# KiCad board cpu2.kicad_pcb (continued)
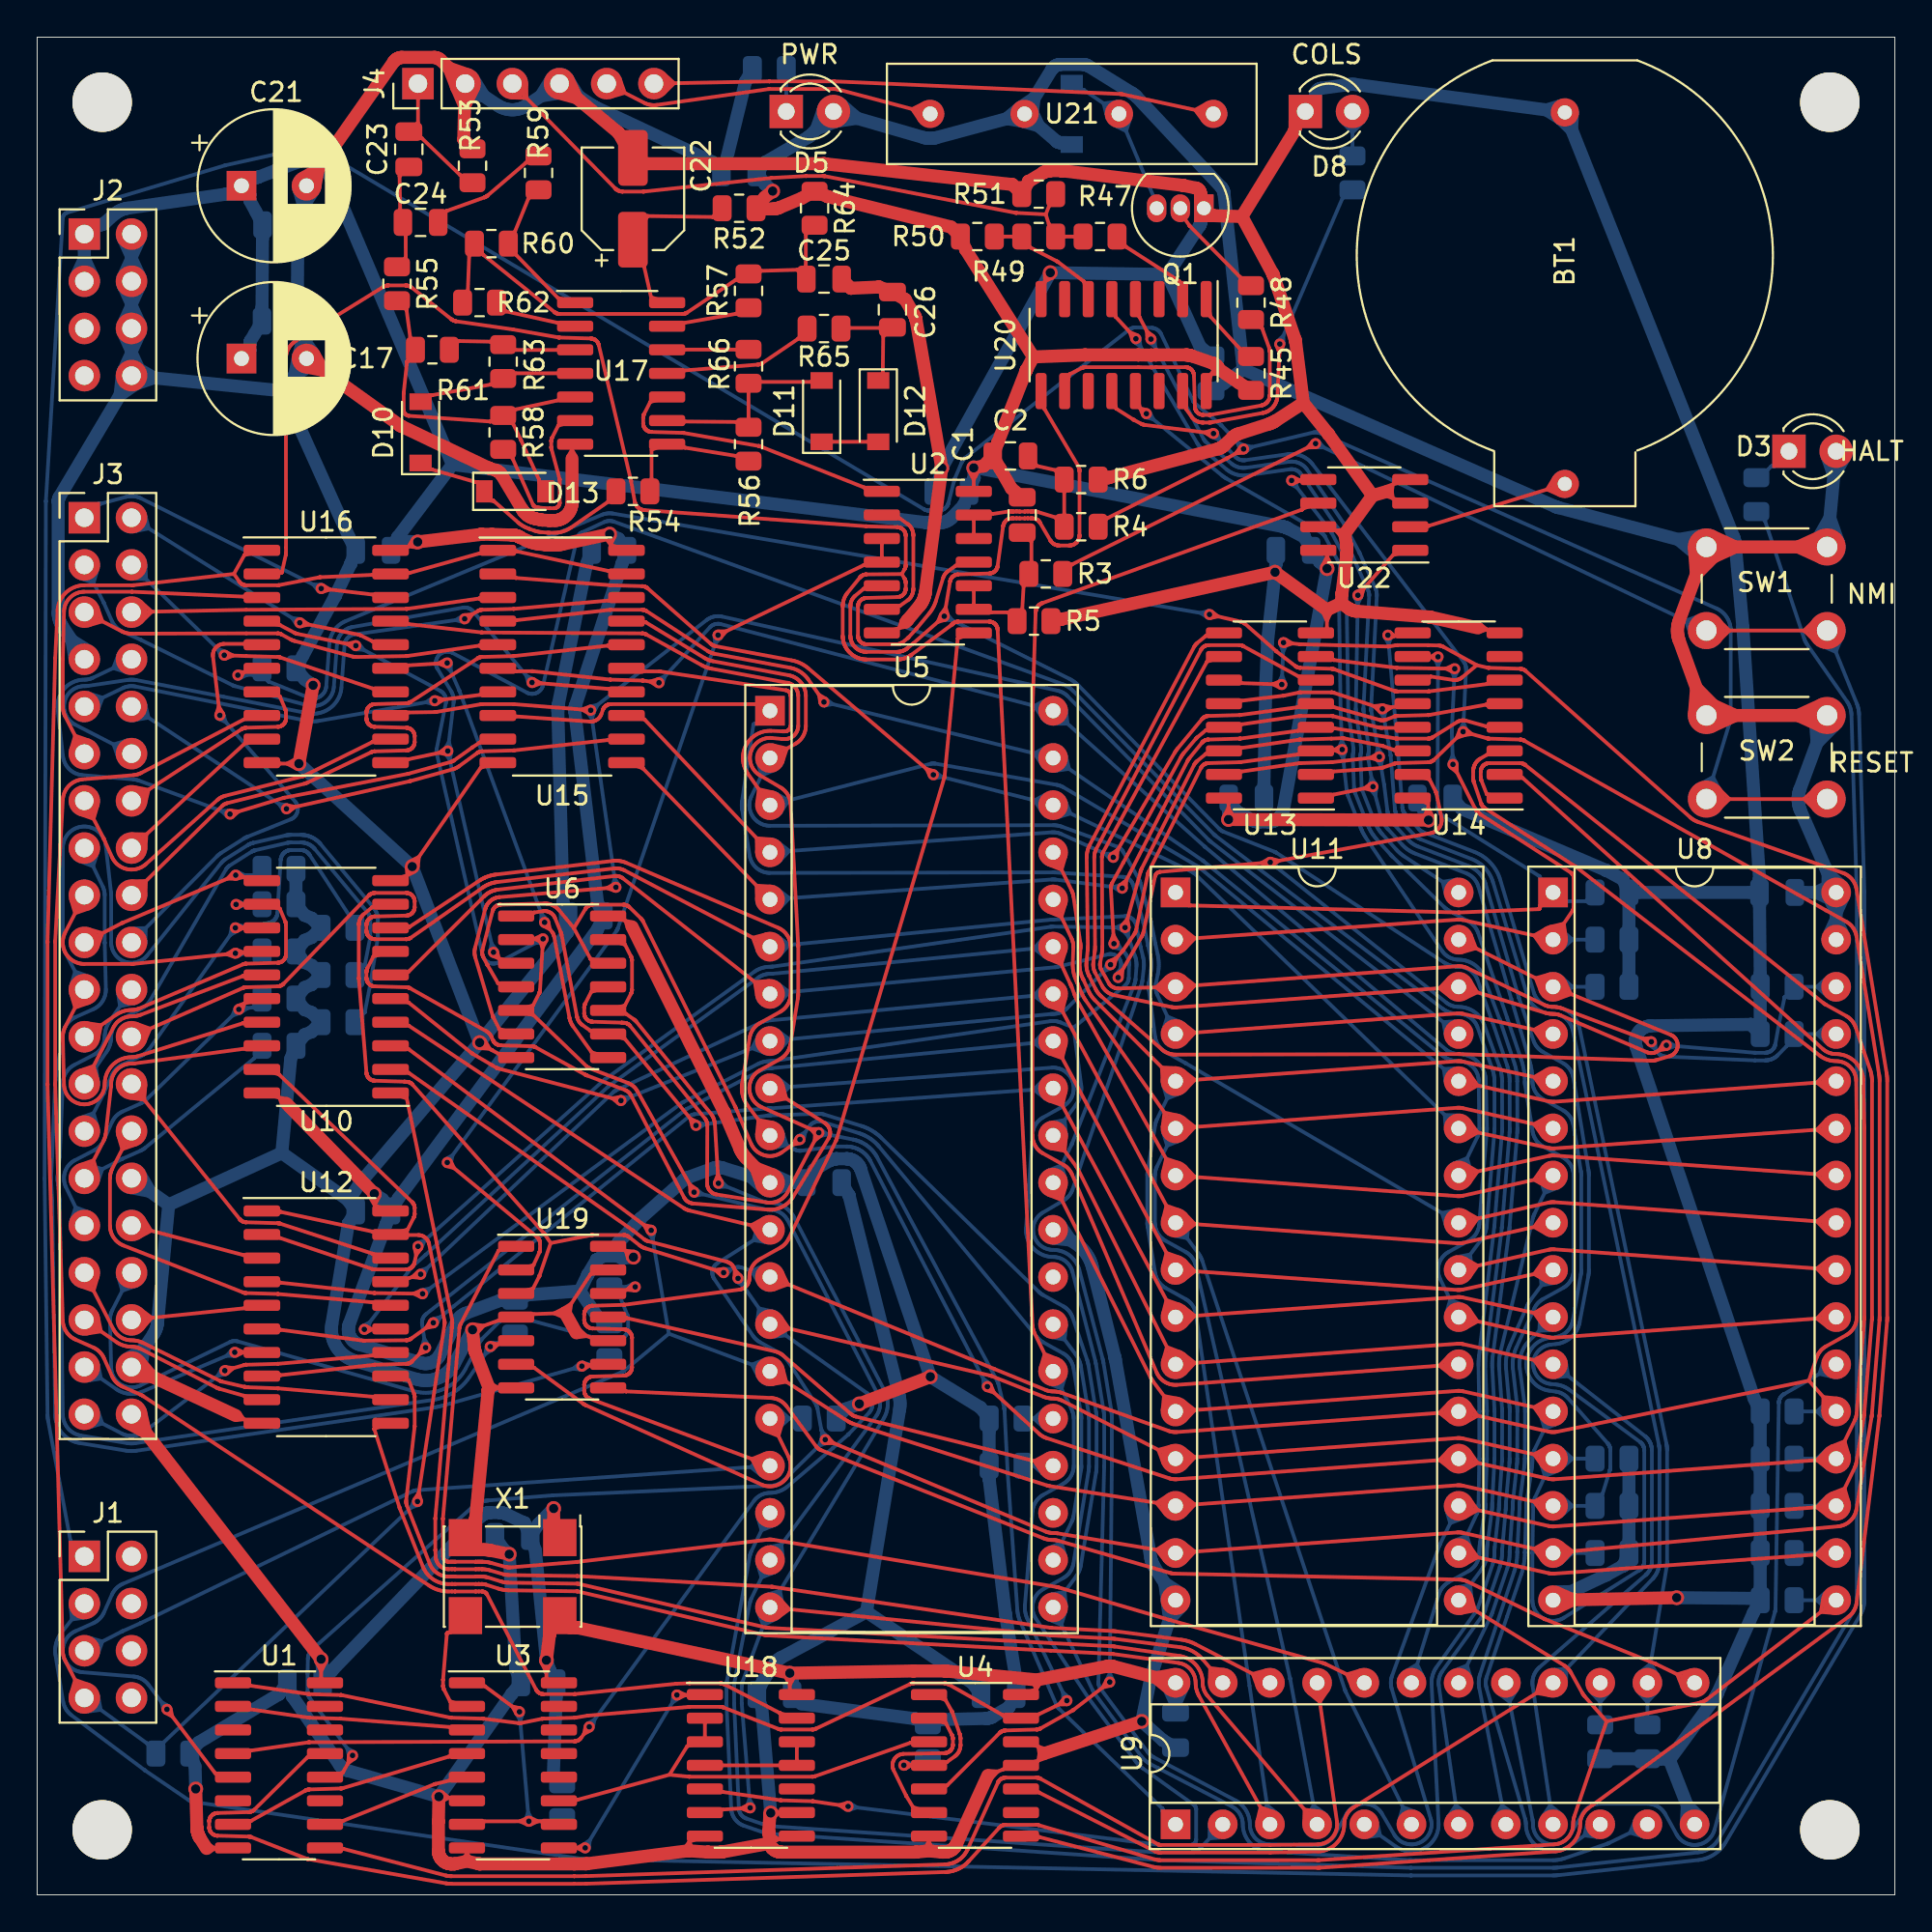
[diagram p0: board, top side]
## Routing (per net, layer and track width the routed paths; a pad name or vN(x,y) marks a point on that pad's centre or on a via; arc(x,y) is an arc through that point) (continued)
A2: length 122.4
  Top w0.2: 61.79,30.62 62.32,31.17 61.71,31.65 ; 55.37,43.25 55.18,42.5 54.45,42.76 ; 81.25,31.71 80.58,31.32 81.03,30.69 ; U5.32 U11.10 76.44,32.18 76.48,32.18 76.52,32.18 76.56,32.18 76.6,32.18 76.64,32.17 76.67,32.17 76.71,32.16 76.75,32.16 U8.10 ; 21.36,30.6 20.94,30.52 21.15,30.9 ; 60.6,31.27 60.79,32.02 61.51,31.76 ; U12.6 12.99,30.42 13.09,30.42 13.1,30.41 17.53,29.84 17.56,29.83 17.59,29.83 17.62,29.83 19.86,29.85 19.89,29.86 19.92,29.86 19.95,29.86 19.97,29.87 20,29.88 20.03,29.89 20.04,29.89 20.07,29.91 20.1,29.92 20.11,29.93 20.14,29.95 v2(21.33,30.8)
  Bottom w0.2: v2(21.33,30.8) 22.42,31.68 22.42,31.68 35.08,41.89 35.11,41.91 35.13,41.93 35.16,41.94 35.18,41.96 35.21,41.97 35.24,41.98 35.27,41.99 35.3,42 35.33,42.01 35.36,42.02 35.39,42.02 35.42,42.02 39.33,42.33 39.38,42.34 39.43,42.34 39.48,42.34 39.53,42.34 U5.32 ; 78.46,4.16 78.86,4.82 79.48,4.36 ; 81.63,30.4 80.86,30.37 80.9,31.14 ; U8.10 80.33,29.84 80.26,29.77 80.2,29.7 80.14,29.62 80.08,29.54 80.03,29.45 79.99,29.37 79.94,29.28 79.91,29.19 79.88,29.09 79.85,29 79.83,28.9 79.81,28.81 79.8,28.71 79.8,28.61 79.8,28.51 79.8,28.42 79.81,28.32 80.06,26.5 80.07,26.42 80.08,26.34 80.08,26.25 80.09,26.17 80.09,26.09 80.09,26.01 80.08,23.49 80.08,23.39 80.08,23.3 80.07,23.2 80.06,23.11 80.05,23.02 79.81,21.17 79.81,21.13 79.8,21.08 79.8,21.03 79.8,20.99 79.8,20.94 79.8,20.9 79.79,20.86 79.79,20.81 79.79,20.77 79.68,18.5 79.67,18.45 79.67,18.4 79.67,18.27 79.66,18.15 79.65,18.02 79.63,17.9 79.61,17.77 79.58,17.65 79.55,17.53 79.51,17.41 77.67,11.88 77.65,11.81 77.64,11.74 77.62,11.68 77.61,11.61 77.61,11.54 77.6,11.47 77.6,11.41 77.6,11.34 77.61,11.27 77.62,11.2 77.63,11.14 U9.8 ; 21.28,30.99 21.7,31.1 21.51,30.71 ; 54.18,43.9 53.65,43.35 54.26,42.87
A3: length 127.8
  Top w0.2: 20.98,29.27 20.58,29.12 20.72,29.53 ; 81.03,34.05 80.58,33.42 81.25,33.03 ; 55.37,45.79 55.18,45.04 54.45,45.3 ; 61.51,34.3 60.79,34.56 60.6,33.81 ; v2(20.91,29.46) 20.2,28.73 20.17,28.7 20.15,28.69 20.13,28.68 20.11,28.66 20.08,28.64 20.07,28.63 20.03,28.62 20.01,28.61 19.99,28.6 19.96,28.59 19.93,28.59 19.91,28.59 19.87,28.58 18.18,28.54 18.12,28.53 13.1,27.98 13.09,27.97 12.99,27.97 U12.8 ; 61.71,33.09 62.32,33.57 61.79,34.12 ; U8.9 76.75,32.58 76.71,32.58 76.67,32.57 76.64,32.57 76.6,32.56 76.56,32.56 76.52,32.56 76.48,32.56 76.44,32.56 U11.9 U5.33
  Bottom w0.2: 81.73,32.95 80.98,32.81 80.9,33.57 ; 54.17,46.43 53.65,45.86 54.27,45.4 ; 20.72,29.51 20.84,29.93 21.08,29.57 ; 75.94,4.19 76.37,4.82 76.97,4.33 ; U9.7 75.45,11.26 75.44,11.32 75.44,11.37 75.44,11.43 75.44,11.48 75.45,11.54 75.45,11.59 75.47,11.65 75.48,11.7 75.49,11.75 75.51,11.8 75.53,11.86 75.56,11.91 75.58,11.95 75.61,12 75.64,12.05 77.75,14.97 77.79,15.02 77.82,15.06 77.84,15.11 77.87,15.16 77.9,15.21 77.92,15.27 77.94,15.32 77.96,15.37 78.73,17.65 78.76,17.74 78.79,17.83 78.81,17.93 78.82,18.02 78.84,18.11 78.85,18.21 78.85,18.3 78.86,18.4 78.86,18.45 78.86,18.5 78.86,18.55 78.86,18.59 78.87,18.64 79.05,20.72 79.05,20.76 79.06,20.81 79.06,20.85 79.06,20.9 79.06,20.98 79.06,21.03 79.06,21.07 79.07,21.12 79.07,21.16 79.25,23.24 79.26,23.29 79.26,23.33 79.26,23.38 79.26,23.43 79.26,23.49 79.27,26.01 79.27,26.06 79.27,26.12 79.27,26.17 79.26,26.22 79.26,26.27 79.07,28.33 79.06,28.44 79.06,28.56 79.06,28.68 79.07,28.79 79.08,28.91 79.1,29.02 79.13,29.14 79.16,29.25 79.19,29.36 79.23,29.47 79.27,29.58 80.21,31.71 80.23,31.76 80.25,31.8 80.27,31.84 80.3,31.89 80.33,31.93 80.35,31.97 80.38,32.01 U8.9 ; 20.72,30.7 v2(20.91,29.46) ; 38.95,44.38 35,42.32 34.97,42.31 34.94,42.29 34.91,42.27 34.89,42.26 34.86,42.24 34.83,42.22 20.95,31.28 20.92,31.25 20.9,31.23 20.87,31.21 20.85,31.18 20.83,31.15 20.81,31.13 20.8,31.1 20.78,31.07 20.77,31.04 20.75,31 20.74,30.97 20.73,30.94 20.73,30.91 20.72,30.87 20.72,30.84 20.72,30.81 20.72,30.77 20.72,30.74 20.72,30.7 ; U5.33 39.59,44.51 39.56,44.5 39.53,44.5 39.51,44.5 39.48,44.5 39.45,44.5 39.4,44.5 39.36,44.49 39.31,44.49 39.26,44.48 39.22,44.47 39.17,44.46 39.12,44.45 39.08,44.43 39.04,44.42 38.99,44.4 38.95,44.38
A4: length 122.4
  Top w0.2: 61.79,36.66 62.32,36.1 61.71,35.63 ; 81.03,36.58 80.59,35.95 81.25,35.57 ; U5.34 U11.8 76.44,35.07 76.48,35.07 76.52,35.07 76.56,35.07 76.6,35.07 76.64,35.08 76.68,35.08 76.72,35.09 76.76,35.1 U8.8 ; 55.37,48.33 55.18,47.58 54.45,47.84 ; 20.62,33.21 20.19,33.26 20.51,33.55 ; v2(20.64,33.41) 20,33.19 U12.17 ; 60.6,36.35 60.79,37.1 61.51,36.84
  Bottom w0.2: 74.23,4.45 73.52,4.73 73.31,3.99 ; 61.98,36.11 61.9,35.35 61.15,35.49 ; 20.83,33.33 20.99,33.74 20.58,33.6 ; U9.6 70.45,10.92 70.43,10.95 70.42,10.97 70.41,10.99 70.4,11.02 70.4,11.04 70.39,11.06 62.72,34.12 62.7,34.18 62.68,34.23 62.65,34.29 62.63,34.34 62.6,34.4 62.57,34.45 62.53,34.5 62.5,34.55 U11.8 ; U5.34 39.35,47.06 39.3,47.06 39.26,47.05 39.22,47.05 39.18,47.04 39.14,47.02 39.1,47.01 39.06,47 39.02,46.98 38.98,46.96 31.17,43.31 31.15,43.3 31.12,43.29 31.1,43.27 31.08,43.26 31.06,43.25 31.04,43.23 31.02,43.22 31.01,43.2 v2(20.64,33.41) ; 54.17,48.97 53.65,48.4 54.27,47.94
A5: length 134.4
  Top w0.2: 54.42,50.39 55.12,50.09 55.36,50.83 ; 60.6,38.88 60.77,39.63 61.5,39.38 ; 81.03,39.12 80.59,38.49 81.25,38.11 ; 18.03,30.44 17.71,30.27 ; 18.03,30.44 18.13,30.44 U12.15 ; 18.03,30.44 v2(17.61,30.44) ; 18.03,30.44 17.71,30.62 ; U5.35 55.6,49.07 55.62,49.03 55.65,48.96 55.66,48.94 55.67,48.91 55.68,48.89 55.69,48.87 55.82,48.51 55.85,48.45 55.87,48.39 55.9,48.32 55.93,48.26 55.96,48.2 55.99,48.15 U11.7 76.44,37.61 76.48,37.61 76.52,37.61 76.56,37.61 76.6,37.61 76.64,37.62 76.68,37.62 76.72,37.63 76.76,37.64 U8.7 ; 61.79,39.2 62.32,38.64 61.71,38.17
  Bottom w0.2: 17.52,30.62 17.9,30.82 17.81,30.4 ; 72.12,3.95 72.29,3.2 71.53,3.1 ; U5.35 39.59,49.59 39.56,49.58 39.53,49.58 39.51,49.58 39.48,49.58 39.45,49.58 39.4,49.58 39.34,49.57 39.29,49.57 39.24,49.56 39.19,49.55 39.14,49.53 39.09,49.52 39.04,49.5 38.99,49.48 38.95,49.46 38.9,49.43 38.86,49.4 38.82,49.37 30.83,43.58 30.81,43.57 30.79,43.55 30.77,43.54 30.75,43.52 30.73,43.51 20.92,34.46 20.91,34.45 20.24,33.87 20.23,33.85 20.21,33.84 20.2,33.82 20.19,33.81 20.17,33.79 20.16,33.78 v2(17.61,30.44) ; U9.5 73.14,2.6 73.21,2.55 73.29,2.51 73.37,2.47 73.45,2.43 73.53,2.4 73.62,2.38 73.7,2.36 73.79,2.35 73.88,2.34 73.97,2.34 74.06,2.34 74.14,2.34 74.23,2.36 74.32,2.37 74.4,2.4 74.49,2.43 74.57,2.46 74.65,2.5 74.72,2.54 74.8,2.59 74.87,2.64 74.94,2.69 75,2.75 75.06,2.82 75.12,2.88 75.17,2.95 75.22,3.03 75.27,3.1 75.31,3.18 75.34,3.26 75.37,3.35 75.39,3.43 75.41,3.52 75.43,3.6 75.44,3.69 75.44,3.78 75.44,3.87 75.06,11.34 75.06,11.41 75.06,11.48 75.07,11.55 75.07,11.62 75.09,11.69 75.1,11.76 75.12,11.82 75.14,11.89 75.16,11.95 75.19,12.02 75.22,12.08 75.25,12.14 75.29,12.2 75.33,12.26 77.43,15.22 77.45,15.25 77.47,15.29 77.49,15.32 77.51,15.36 77.53,15.39 77.54,15.43 77.56,15.47 77.57,15.5 78.34,17.78 78.37,17.86 78.39,17.93 78.41,18.01 78.42,18.09 78.43,18.16 78.44,18.24 78.45,18.32 78.45,18.4 78.45,18.47 78.45,18.54 78.45,18.61 78.46,18.67 78.47,18.74 78.68,20.7 78.68,20.75 78.69,20.8 78.69,20.85 78.69,20.89 78.69,20.98 78.69,21.02 78.69,21.06 78.7,21.1 78.7,21.14 78.85,23.32 78.85,23.35 78.85,23.38 78.85,23.42 78.86,23.45 78.86,23.49 78.86,26.02 78.86,26.05 78.86,26.08 78.86,26.12 78.86,26.15 78.85,26.19 78.7,28.35 78.69,28.46 78.69,28.58 78.69,28.69 78.7,28.8 78.71,28.91 78.73,29.03 78.75,29.14 78.77,29.25 80.52,36.44 80.53,36.47 80.54,36.51 80.55,36.54 80.56,36.57 80.57,36.6 80.59,36.63 80.6,36.67 U8.7 ; 54.27,50.48 53.65,50.94 54.17,51.51 ; 80.93,38.52 81.15,37.78 81.86,38.07
A6: length 149.1
  Top w0.2: 68.2,3.82 68.23,4.59 68.99,4.49 ; 61.71,41.81 62.32,41.34 61.79,40.78 ; 61.43,41.94 60.68,42.11 60.59,41.35 ; U9.4 63,10.71 62.96,10.76 62.93,10.8 62.9,10.85 62.87,10.89 62.85,10.94 62.83,10.99 62.81,11.04 62.79,11.09 62.77,11.15 62.76,11.2 62.75,11.25 62.75,11.31 62.74,11.36 62.74,11.42 62.74,11.5 62.73,11.58 62.72,11.66 62.7,11.75 62.68,11.83 62.66,11.9 62.63,11.98 62.59,12.06 62.55,12.13 62.51,12.2 62.46,12.27 62.41,12.34 62.36,12.4 62.3,12.46 62.24,12.52 62.17,12.57 62.11,12.62 62.04,12.66 61.96,12.71 61.89,12.74 61.81,12.77 61.73,12.8 61.65,12.83 61.57,12.85 61.49,12.86 58.02,13.37 57.98,13.37 57.94,13.38 57.91,13.38 57.87,13.38 57.84,13.38 54.59,13.55 54.59,13.55 39.39,14.37 39.36,14.37 39.32,14.38 39.29,14.38 39.26,14.39 39.23,14.39 39.2,14.4 29.2,16.73 29.18,16.74 29.15,16.74 29.13,16.74 29.11,16.75 29.09,16.75 29.07,16.75 29.04,16.75 25.39,16.8 25.33,16.81 25.28,16.81 25.23,16.82 25.17,16.82 25.12,16.83 25.07,16.84 25.02,16.86 24.96,16.87 24.27,17.08 24.24,17.09 24.2,17.1 24.16,17.11 24.12,17.12 24.08,17.12 24.03,17.13 23.99,17.13 23.93,17.13 23.79,17.13 23.75,17.13 23.62,17.13 23.6,17.13 22.5,17.13 22.48,17.13 22.34,17.13 22.3,17.13 22.18,17.13 22.12,17.13 22.06,17.13 22,17.14 21.94,17.15 21.88,17.17 21.82,17.18 21.76,17.2 21.7,17.23 21.65,17.25 21.6,17.28 21.54,17.31 21.49,17.35 21.45,17.39 21.4,17.43 21.36,17.47 21.32,17.52 21.28,17.56 21.24,17.61 21.21,17.66 21.18,17.72 21.15,17.77 21.13,17.83 19.9,20.95 19.9,20.98 19.89,21 19.88,21.03 19.87,21.05 19.87,21.08 19.87,21.11 19.86,21.13 19.86,21.16 19.86,21.19 19.86,21.22 19.87,21.24 20.32,25.17 20.32,25.22 20.32,25.23 20.32,26.81 20.32,26.83 20.32,26.87 20.31,26.89 20.31,26.91 20.3,26.95 20.29,26.97 20,27.7 20,27.71 U12.13 ; 81.03,40.86 80.59,41.49 81.25,41.87 ; 55.36,53.38 55.14,52.64 54.42,52.93 ; U5.36 55.67,51.51 55.69,51.46 55.71,51.42 55.73,51.37 55.74,51.33 55.75,51.28 55.76,51.24 55.77,51.19 55.77,51.14 55.78,51.09 55.78,51.05 55.78,51 55.75,50.15 55.75,50.05 55.75,49.96 55.76,49.87 55.77,49.78 55.78,49.68 55.8,49.59 55.83,49.5 55.86,49.41 55.89,49.33 55.92,49.24 55.96,49.16 55.98,49.13 56,49.09 56.01,49.05 56.22,48.56 56.25,48.5 56.27,48.44 56.3,48.38 56.34,48.32 56.37,48.26 56.4,48.21 56.44,48.15 U11.6 76.44,42.37 76.48,42.37 76.52,42.37 76.56,42.37 76.6,42.37 76.64,42.36 76.68,42.36 76.72,42.35 76.76,42.34 U8.6
  Bottom w0.2: 68.31,4.16 68.71,4.82 69.32,4.35 ; U9.4 67.45,11.62 67.44,11.66 62.36,33.89 62.35,33.94 62.33,34 62.31,34.05 62.29,34.11 62.26,34.16 62.23,34.21 62.2,34.26 62.17,34.31 62.13,34.35 62.09,34.4 62.05,34.44 62.01,34.48 61.96,34.51 61.92,34.55 61.87,34.58 61.82,34.61 60.74,35.21 60.69,35.24 60.64,35.28 60.59,35.31 60.54,35.35 60.49,35.4 60.45,35.44 60.41,35.49 60.37,35.54 60.34,35.59 60.31,35.64 60.28,35.7 60.25,35.76 60.23,35.81 60.21,35.87 60.2,35.93 60.19,35.99 60.18,36.06 60.17,36.12 60.17,36.18 60.17,38.72 60.17,38.77 60.17,38.82 60.18,38.87 60.19,38.92 60.2,38.97 60.21,39.02 60.23,39.07 60.24,39.11 60.26,39.16 60.28,39.21 U11.6 ; 60.61,41.06 60.83,40.32 61.54,40.61
A7: length 147.9
  Top w0.2: 66.59,4.46 65.86,4.71 65.68,3.96 ; 39.37,13.96 54.56,13.14 54.57,13.14 57.82,12.97 57.84,12.97 57.87,12.97 57.89,12.97 57.92,12.97 57.94,12.96 61.43,12.48 61.49,12.47 61.55,12.46 61.61,12.44 61.67,12.42 61.72,12.4 61.78,12.37 61.83,12.34 61.89,12.31 61.94,12.27 61.98,12.23 62.03,12.19 62.07,12.15 62.11,12.1 62.15,12.05 62.19,12 62.22,11.95 62.25,11.89 62.27,11.84 62.3,11.78 62.32,11.72 62.33,11.66 62.34,11.6 62.35,11.54 62.36,11.48 62.36,11.42 62.36,11.35 62.37,11.28 62.37,11.21 62.38,11.15 62.4,11.08 62.41,11.02 62.43,10.95 62.46,10.89 62.48,10.83 62.51,10.77 62.54,10.71 U9.3 ; 54.43,55.47 55.14,55.18 55.36,55.92 ; U8.5 76.75,44.86 76.71,44.86 76.67,44.87 76.64,44.87 76.6,44.88 76.56,44.88 76.52,44.88 76.48,44.88 76.44,44.88 U11.5 56.95,48.15 56.9,48.2 56.86,48.25 56.81,48.3 56.77,48.36 56.73,48.41 56.7,48.47 56.66,48.53 56.63,48.59 56.6,48.65 56.33,49.25 56.3,49.29 56.29,49.32 56.26,49.39 56.23,49.47 56.2,49.54 56.17,49.62 56.15,49.7 56.14,49.78 56.13,49.86 56.12,49.94 56.11,50.02 56.11,50.1 56.12,50.18 56.17,50.94 56.17,50.99 56.17,51.03 56.17,51.08 56.17,51.12 56.16,51.17 56.16,51.21 56.15,51.25 55.79,53.74 55.78,53.78 55.77,53.82 55.76,53.87 55.75,53.91 55.74,53.95 55.72,53.99 55.71,54.03 55.69,54.06 U5.37 ; U12.11 18.15,25.09 18.15,25.07 19.5,20.86 19.51,20.83 19.52,20.8 20.76,17.68 20.79,17.6 20.83,17.53 20.87,17.46 20.91,17.39 20.96,17.32 21.01,17.26 21.07,17.2 21.13,17.14 21.19,17.08 21.25,17.03 21.32,16.98 21.39,16.94 21.46,16.9 21.53,16.86 21.61,16.83 21.69,16.8 21.77,16.78 21.85,16.76 21.93,16.75 22.01,16.74 22.09,16.73 22.17,16.73 22.33,16.73 22.34,16.73 22.5,16.73 22.5,16.73 23.6,16.73 23.62,16.73 23.78,16.73 23.79,16.73 23.95,16.73 23.98,16.73 24.01,16.73 24.03,16.73 24.06,16.72 24.09,16.72 24.11,16.71 24.14,16.7 24.17,16.7 24.82,16.49 24.89,16.47 24.96,16.45 25.03,16.43 25.1,16.42 25.17,16.41 25.24,16.4 25.31,16.4 25.38,16.39 29.04,16.34 29.07,16.34 29.09,16.33 29.1,16.33 39.1,14 39.15,13.99 39.19,13.98 39.23,13.97 39.28,13.97 39.32,13.96 39.37,13.96 ; 61.31,44.5 60.55,44.54 60.58,43.77 ; 61.71,44.35 62.32,43.87 61.79,43.32 ; 81.25,44.41 80.58,44.02 81.03,43.39
  Bottom w0.2: 61.54,43.15 60.83,42.86 60.61,43.6 ; 66.8,4.34 66.21,4.82 65.78,4.19 ; U9.3 65.26,11.25 65.26,11.26 62.38,31.26 62.37,31.32 62.36,31.38 62.34,31.43 62.32,31.49 62.3,31.55 62.27,31.6 62.24,31.65 62.21,31.7 62.18,31.75 62.14,31.8 62.1,31.85 62.06,31.89 62.02,31.93 61.97,31.97 61.92,32.01 61.87,32.04 61.82,32.07 60.74,32.67 60.69,32.7 60.64,32.73 60.59,32.77 60.55,32.8 60.51,32.84 60.46,32.89 60.43,32.93 60.39,32.98 60.36,33.03 60.32,33.08 60.3,33.13 60.27,33.18 60.25,33.23 60.23,33.29 60.21,33.35 60.2,33.4 60.18,33.46 59.78,35.93 59.77,35.98 59.77,36.02 59.76,36.06 59.76,36.1 59.76,36.14 59.76,36.18 59.76,38.72 59.76,38.76 59.76,38.8 59.76,38.84 59.77,38.88 59.77,38.92 59.78,38.97 60.18,41.44 60.19,41.48 60.2,41.52 60.21,41.56 60.22,41.6 60.23,41.63 60.25,41.67 60.26,41.71 60.28,41.75 U11.5
A8: length 91.7
  Top w0.2: 48.3,60.49 47.88,60.6 48.06,60.21 ; v2(48.24,60.29) 41.51,66.02 41.44,66.08 41.37,66.14 41.29,66.19 41.21,66.24 41.13,66.28 41.05,66.32 40.96,66.36 40.87,66.39 40.79,66.41 40.7,66.44 40.61,66.46 ; 96.33,41.74 95.8,41.19 96.41,40.71 ; U11.27 81.37,40.2 81.41,40.2 81.45,40.19 81.48,40.19 81.52,40.18 81.56,40.18 81.6,40.18 81.64,40.18 81.68,40.18 U8.27 ; 76.87,40.65 77.54,41.04 77.09,41.67 ; U15.2 25.77,70.89 25.78,70.89 30.86,70.5 30.88,70.49 32.57,70.45 32.61,70.44 32.64,70.44 32.67,70.43 32.7,70.42 32.73,70.41 32.77,70.4 32.79,70.38 32.81,70.37 32.85,70.35 32.86,70.33 36.25,67.35 36.27,67.34 36.29,67.32 36.32,67.3 36.34,67.29 36.36,67.27 36.39,67.26 36.41,67.25 36.44,67.24 36.46,67.23 36.49,67.22 36.51,67.22 36.54,67.21 40.6,66.46
  Bottom w0.2: 54.36,59.28 53.68,58.91 54.11,58.27 ; v2(48.24,60.29) U5.38 62.21,55.04 62.24,55.03 62.26,55.01 62.28,55 62.3,54.98 U11.27 ; 76.54,41.96 75.77,41.98 75.82,41.21 ; 54.89,57.99 55.63,58.21 55.34,58.92 ; 48.37,60.45 48.71,60.17 48.28,60.1
A9: length 96.2
  Top w0.2: 76.87,39.33 77.54,38.94 77.09,38.31 ; 42.16,64.17 42.08,64.6 42.46,64.38 ; 96.33,38.24 95.8,38.79 96.41,39.27 ; U11.26 81.37,39.78 81.41,39.78 81.45,39.79 81.48,39.79 81.52,39.8 81.56,39.8 81.6,39.8 81.64,39.8 81.68,39.8 U8.26 ; v2(42.35,64.21) 41.51,65.42 41.47,65.48 41.42,65.55 41.36,65.6 41.3,65.66 41.24,65.71 41.18,65.76 41.12,65.81 41.05,65.85 40.98,65.89 40.91,65.93 40.84,65.96 40.76,65.99 40.69,66.02 40.61,66.04 40.53,66.05 36.47,66.81 36.42,66.82 36.38,66.83 36.34,66.84 36.29,66.86 36.25,66.87 36.21,66.89 36.17,66.91 36.13,66.93 36.1,66.96 32.8,69.11 32.78,69.12 32.73,69.14 32.71,69.15 32.69,69.16 32.66,69.17 32.63,69.17 32.58,69.17 32.56,69.18 30.88,69.18 30.86,69.17 30.82,69.17 25.8,68.62 25.79,68.62 25.69,68.62 U15.4
  Bottom w0.2: 54.11,60.81 53.68,61.45 54.35,61.81 ; U11.26 77.52,40.77 77.54,40.82 77.56,40.87 77.58,40.92 77.59,40.97 77.6,41.02 77.61,41.07 77.62,41.12 77.63,41.17 77.63,41.22 77.63,41.27 77.6,43.81 77.6,43.88 77.59,43.94 77.58,44 77.57,44.06 77.55,44.12 77.53,44.18 77.51,44.24 77.48,44.29 77.45,44.35 77.42,44.4 77.38,44.45 77.34,44.5 77.3,44.55 77.26,44.59 77.21,44.63 77.16,44.67 77.11,44.7 77.06,44.74 77,44.77 76.94,44.79 76.89,44.82 76.83,44.84 76.77,44.85 76.71,44.86 76.64,44.87 76.58,44.88 76.52,44.88 76.45,44.88 76.38,44.89 76.31,44.9 76.24,44.91 76.17,44.92 76.1,44.94 76.03,44.96 75.96,44.99 75.9,45.02 75.84,45.05 75.77,45.09 75.71,45.12 75.65,45.16 75.6,45.21 62.79,55.64 62.76,55.66 62.73,55.68 62.72,55.69 U5.39 v2(42.35,64.21) ; 42.39,64.01 42.82,64.1 42.48,64.37 ; 76.26,39.37 76.97,39.66 77.19,38.92 ; 54.78,60.51 55.55,60.61 55.37,61.36
A10: length 106.8
  Top w0.2: 96.41,30.55 95.8,31.02 96.33,31.58 ; 33.37,65.08 33,65.31 33.41,65.44 ; 76.87,30.49 77.53,30.87 77.09,31.5 ; U8.23 81.68,29.99 81.64,29.99 81.6,29.99 81.56,29.99 81.52,29.99 81.48,30 81.44,30 81.4,30.01 81.36,30.02 U11.23 ; U15.6 25.78,65.86 25.79,65.86 26.63,65.87 26.66,65.87 26.69,65.87 26.71,65.87 30.83,65.42 30.88,65.41 32.57,65.37 32.63,65.36 v2(33.47,65.25)
  Bottom w0.2: 33.66,65.19 33.8,65.6 33.39,65.43 ; 55.39,63.81 55.46,63.05 54.69,63.04 ; U11.23 75.52,33.15 75.5,33.21 75.47,33.27 75.45,33.34 75.44,33.4 75.42,33.46 75.42,33.53 75.41,33.59 75.41,33.66 75.41,33.72 75.42,33.78 75.43,33.85 75.44,33.91 75.46,33.97 75.48,34.04 75.51,34.09 75.54,34.15 75.57,34.21 75.6,34.26 75.64,34.32 75.68,34.37 75.72,34.41 75.77,34.46 75.82,34.5 75.87,34.54 75.93,34.58 75.98,34.61 77.06,35.21 77.11,35.24 77.16,35.27 77.21,35.31 77.26,35.35 77.3,35.39 77.34,35.43 77.38,35.48 77.42,35.53 77.45,35.58 77.48,35.63 77.51,35.68 77.54,35.74 77.56,35.8 77.58,35.85 77.6,35.91 77.61,35.97 77.62,36.03 77.63,36.09 78.04,41.14 78.04,41.17 78.04,41.2 78.04,41.23 78.04,41.26 78.04,41.3 77.98,43.83 77.98,43.92 77.97,44 77.95,44.08 77.93,44.17 77.91,44.25 77.88,44.32 77.85,44.4 77.81,44.48 77.77,44.55 77.73,44.62 77.68,44.69 77.63,44.75 77.57,44.81 77.51,44.87 77.45,44.93 77.38,44.98 77.31,45.03 77.24,45.07 77.17,45.11 77.09,45.14 77.01,45.17 76.93,45.2 76.85,45.22 76.77,45.24 76.69,45.25 76.6,45.26 76.52,45.26 76.47,45.26 76.41,45.27 76.36,45.27 76.31,45.28 76.25,45.29 76.2,45.31 76.15,45.33 76.1,45.35 76.05,45.37 76,45.39 75.96,45.42 75.91,45.45 75.87,45.48 75.82,45.51 62.88,56.4 62.85,56.43 62.84,56.44 U5.40 36.81,68.4 36.77,68.41 36.74,68.41 36.71,68.42 36.68,68.42 36.64,68.42 36.61,68.42 36.58,68.42 36.54,68.41 36.51,68.4 36.48,68.4 36.45,68.39 36.42,68.37 36.39,68.36 36.36,68.35 36.33,68.33 36.3,68.31 36.28,68.29 36.25,68.27 36.23,68.25 36.2,68.22 v2(33.47,65.25) ; 54.36,64.36 53.68,64 54.1,63.36 ; 76.78,31.75 76.07,32.04 75.85,31.3
A11: length 97.6
  Top w0.2: U8.25 81.68,37.29 81.64,37.29 81.6,37.29 81.56,37.29 81.52,37.29 81.48,37.28 81.44,37.28 81.4,37.27 81.36,37.26 U11.25 ; 77.09,35.78 77.53,36.41 76.87,36.79 ; U15.8 25.69,63.44 25.79,63.44 25.79,63.43 29.76,63.16 29.79,63.16 29.83,63.16 29.86,63.16 29.89,63.17 29.93,63.17 29.96,63.18 30,63.19 30.03,63.2 30.06,63.22 30.09,63.23 30.12,63.25 30.15,63.27 30.18,63.29 30.2,63.31 30.23,63.34 30.25,63.36 30.28,63.39 30.3,63.42 30.32,63.45 30.33,63.48 30.35,63.51 30.36,63.54 30.38,63.57 30.45,63.79 30.46,63.82 30.48,63.85 30.49,63.87 30.51,63.9 30.53,63.92 30.54,63.94 30.58,63.98 30.6,63.99 30.62,64.01 30.65,64.03 30.67,64.04 30.71,64.06 30.74,64.07 30.75,64.08 30.79,64.09 30.81,64.09 30.86,64.1 30.88,64.1 38.75,64.1 U5.1 ; 96.33,35.7 95.8,36.26 96.41,36.73
  Bottom w0.2: 76.37,36.86 75.62,36.7 75.85,35.97 ; 54.69,55.04 54.73,55.04 54.76,55.04 54.78,55.04 58.45,54.8 58.48,54.79 58.52,54.79 58.55,54.78 58.58,54.77 58.62,54.76 58.65,54.75 58.68,54.74 58.71,54.72 58.74,54.7 58.77,54.68 58.79,54.66 58.82,54.64 58.85,54.62 58.87,54.59 58.89,54.56 58.91,54.54 58.93,54.51 58.95,54.48 58.96,54.45 58.98,54.41 58.99,54.38 59,54.35 59.55,52.34 59.56,52.3 59.56,52.27 59.8,51.12 59.8,51.08 59.92,50.56 59.94,50.47 59.96,50.38 59.97,50.29 59.97,50.2 59.98,50.1 59.98,50.01 59.97,49.92 59.96,49.83 59.95,49.73 59.86,49.12 59.85,49.1 59.85,49.05 59.84,49 59.84,48.95 59.84,48.9 59.84,48.85 59.84,48.79 59.84,48.74 59.85,48.69 60.18,46.19 60.19,46.13 60.2,46.07 60.22,46.02 60.24,45.96 60.26,45.9 60.29,45.85 60.31,45.79 60.35,45.74 60.38,45.69 60.42,45.64 60.46,45.6 60.5,45.55 60.54,45.51 60.59,45.47 60.64,45.43 60.69,45.4 60.74,45.37 61.82,44.77 61.84,44.76 U11.25 ; 54.69,55.04 39.45,55.01 39.39,55.01 39.33,55.02 39.26,55.02 39.2,55.04 39.14,55.05 39.08,55.07 39.02,55.09 38.97,55.12 38.91,55.15 38.86,55.18 38.81,55.21 38.76,55.25 38.71,55.29 38.66,55.34 38.62,55.38 38.58,55.43 38.54,55.48 38.51,55.53 38.48,55.59 38.45,55.64 38.42,55.7 38.4,55.76 38.38,55.82 38.37,55.88 38.35,55.94 37.95,58.41 37.94,58.47 37.93,58.53 37.93,58.59 37.93,58.65 37.93,58.71 37.93,58.77 37.94,58.82 37.95,58.88 38.55,62.95 38.55,62.97 38.56,62.99 38.57,63 38.58,63.01 38.6,63.02 38.61,63.03 38.63,63.04 38.64,63.04 38.65,63.04 38.75,63.04 U5.1
A12: length 77.7
  Top w0.2: 81.25,46.95 80.59,46.57 81.03,45.94 ; 39.61,61.88 40.36,61.71 40.11,60.98 ; U5.2 40.8,61.95 40.85,61.98 40.91,62.02 40.96,62.06 41,62.1 41.05,62.14 41.09,62.19 41.13,62.24 41.17,62.29 41.21,62.34 41.24,62.39 41.27,62.45 41.29,62.51 41.32,62.57 41.34,62.63 41.35,62.69 41.36,62.75 41.37,62.81 41.38,62.88 41.38,62.94 41.38,64.54 41.38,64.6 41.37,64.67 41.36,64.73 41.35,64.8 41.33,64.86 41.31,64.92 41.29,64.98 41.26,65.04 41.23,65.1 41.2,65.16 41.16,65.21 41.12,65.26 41.07,65.31 41.03,65.36 40.98,65.4 40.93,65.44 40.88,65.48 40.82,65.51 40.76,65.55 40.7,65.57 40.64,65.6 40.58,65.62 40.52,65.64 40.46,65.65 36.39,66.4 36.34,66.42 36.28,66.43 36.22,66.45 36.17,66.46 36.12,66.49 36.06,66.51 36.01,66.53 35.96,66.56 35.91,66.59 32.76,68.5 32.74,68.51 32.72,68.51 32.71,68.52 32.61,68.52 U15.17 ; U8.4 76.76,47.42 76.72,47.43 76.68,47.44 76.64,47.44 76.6,47.45 76.56,47.45 76.52,47.45 76.48,47.45 76.44,47.45 U11.4 ; 61.79,45.86 62.32,46.42 61.71,46.89
  Bottom w0.2: U11.4 60.31,48.43 60.29,48.48 60.27,48.53 60.25,48.58 60.24,48.63 60.23,48.68 60.22,48.73 60.21,48.78 60.21,48.84 60.21,48.89 60.21,48.94 60.21,48.99 60.22,49.05 60.23,49.1 60.32,49.54 60.34,49.65 60.36,49.76 60.37,49.86 60.38,49.97 60.38,50.08 60.38,50.19 60.37,50.3 60.36,50.41 60.34,50.51 60.32,50.62 60.2,51.19 60.19,51.2 59.96,52.35 59.96,52.39 59.95,52.43 59.94,52.45 59.39,54.46 59.38,54.49 59.37,54.53 59.36,54.56 59.34,54.6 59.33,54.63 59.31,54.67 59.29,54.7 58.46,56.15 58.44,56.18 58.42,56.21 58.4,56.23 58.38,56.25 58.36,56.28 58.34,56.3 58.32,56.32 58.29,56.34 58.27,56.35 58.24,56.37 58.22,56.39 58.19,56.4 58.16,56.41 58.13,56.42 55.19,57.49 55.13,57.51 55.08,57.53 55.02,57.54 54.97,57.55 54.91,57.56 54.86,57.57 54.8,57.57 54.74,57.58 54.69,57.58 ; 60.61,46.55 60.84,47.28 61.55,46.99 ; U5.2 38.45,59.14 38.42,59.08 38.4,59.02 38.38,58.96 38.36,58.89 38.35,58.83 38.34,58.76 38.34,58.7 38.34,58.63 38.34,58.57 38.35,58.5 38.36,58.44 38.38,58.37 38.4,58.31 38.42,58.25 38.45,58.19 38.48,58.13 38.51,58.07 38.55,58.01 38.59,57.96 38.63,57.91 38.67,57.86 38.72,57.82 38.77,57.78 38.83,57.74 38.88,57.7 38.94,57.67 39,57.64 39.06,57.62 39.13,57.6 39.19,57.58 39.25,57.57 39.32,57.56 39.39,57.55 39.45,57.55 54.69,57.58 ; 38.78,61 38.99,60.26 39.71,60.55
A13: length 88.2
  Top w0.2: 96.33,44.28 95.8,43.72 96.41,43.25 ; 39.6,59.34 38.85,59.51 38.75,58.75 ; U11.28 81.36,42.72 81.4,42.71 81.44,42.7 81.48,42.7 81.52,42.69 81.56,42.69 81.6,42.69 81.64,42.69 81.68,42.69 U8.28 ; U5.3 38.25,60.36 38.21,60.43 38.16,60.51 38.12,60.59 38.09,60.67 38.06,60.75 38.03,60.84 38.02,60.92 38,61.01 37.99,61.1 37.99,61.18 37.99,61.27 38,61.36 38.01,61.45 38.03,61.53 38.05,61.62 38.08,61.7 38.11,61.78 38.15,61.86 38.19,61.94 38.24,62.01 38.29,62.09 38.34,62.15 38.4,62.22 38.47,62.28 38.53,62.34 38.6,62.39 38.68,62.44 38.75,62.48 38.83,62.52 38.91,62.56 39,62.59 39.08,62.61 39.17,62.63 39.25,62.65 39.34,62.65 39.43,62.66 39.52,62.66 40.13,62.63 40.15,62.63 40.25,62.63 40.27,62.63 40.28,62.63 40.3,62.63 40.32,62.64 40.34,62.64 40.36,62.65 40.37,62.65 40.39,62.66 40.4,62.67 40.42,62.68 40.43,62.69 40.45,62.7 40.46,62.71 40.47,62.73 40.49,62.74 40.5,62.75 40.51,62.77 40.52,62.78 40.53,62.8 40.53,62.82 40.54,62.83 40.55,62.85 40.55,62.87 40.55,62.89 40.56,62.9 40.56,62.92 40.56,62.94 40.56,64.54 40.56,64.56 40.56,64.57 40.55,64.59 40.55,64.61 40.55,64.63 40.54,64.64 40.53,64.66 40.53,64.68 40.52,64.69 40.51,64.71 40.5,64.72 40.49,64.73 40.48,64.75 40.47,64.76 40.45,64.77 40.44,64.78 40.42,64.79 40.41,64.8 40.39,64.81 40.38,64.82 40.36,64.83 40.35,64.83 40.33,64.84 40.31,64.84 40.29,64.85 33.56,65.85 33.53,65.85 33.51,65.86 33.48,65.86 32.71,65.86 U15.15 ; 76.87,43.19 77.53,43.57 77.09,44.2
  Bottom w0.2: 40.03,58.28 40.46,58.92 39.78,59.28 ; U11.28 62.54,55.32 62.51,55.34 62.48,55.36 62.45,55.38 55.25,59.62 55.21,59.64 55.17,59.66 55.13,59.68 55.09,59.69 55.05,59.71 55.01,59.72 54.97,59.73 54.92,59.74 54.88,59.75 48.35,60.89 48.32,60.9 48.3,60.9 48.27,60.9 48.24,60.9 48.22,60.9 48.19,60.9 48.17,60.9 48.14,60.89 48.12,60.89 48.09,60.88 U5.3 ; 75.83,43.7 75.72,44.46 76.49,44.5
A14: length 59.9
  Top w0.2: 57.81,56.01 58.17,56.26 58.13,55.83 ; 39.5,56.82 38.74,56.88 38.75,56.11 ; U5.4 32.7,63.27 32.7,63.27 U15.13 ; v2(57.93,55.85) 61.23,61.47 61.26,61.52 61.29,61.56 61.31,61.61 61.35,61.65 61.38,61.69 61.41,61.73 62.71,63.29 62.72,63.31 62.75,63.34 62.77,63.36 62.8,63.38 62.82,63.39 62.84,63.41 62.89,63.43 62.91,63.44 62.93,63.44 62.96,63.45 62.99,63.45 63.04,63.46 63.05,63.46 64.72,63.51 64.74,63.51 64.78,63.51 67.86,63.93 67.87,63.93 U13.5 69.8,63.93 72.25,63.25 72.28,63.24 72.31,63.24 72.34,63.23 72.37,63.23 72.4,63.23 72.43,63.23 72.46,63.23 72.49,63.23 72.52,63.24 72.55,63.24 72.58,63.25 72.61,63.26 72.63,63.27 73.06,63.43 73.09,63.44 73.12,63.45 73.15,63.45 73.2,63.46 73.21,63.46 74.88,63.51 74.9,63.51 74.94,63.51 74.95,63.52 78,64.07 78.02,64.07 78.12,64.07 79,64.12
  Bottom w0.2: U5.4 54.61,57.2 54.66,57.2 54.71,57.2 54.76,57.2 54.81,57.19 54.85,57.19 54.9,57.18 54.95,57.17 55,57.15 55.04,57.14 55.09,57.12 55.13,57.1 v2(57.93,55.85) ; 57.92,56.05 57.49,56.05 57.78,55.72 ; 39.88,56.67 40.49,56.19 39.96,55.64
A15: length 60.3
  Top w0.2: v2(58.41,54.19) 61.91,61 61.92,61.03 61.94,61.06 61.96,61.09 61.97,61.12 61.99,61.15 62.01,61.17 62.03,61.2 62.7,62.02 62.72,62.04 62.75,62.07 62.77,62.09 62.8,62.11 62.82,62.12 62.84,62.14 62.88,62.15 ; 62.88,62.15 62.9,62.16 62.93,62.17 62.96,62.18 62.99,62.19 63.04,62.19 63.05,62.19 64.72,62.24 64.74,62.24 64.78,62.24 67.86,62.66 67.87,62.66 U13.4 69.71,62.8 69.81,62.8 69.83,62.8 73.14,62.25 73.17,62.24 73.21,62.24 73.22,62.24 74.87,62.24 74.9,62.24 74.93,62.24 74.96,62.25 74.98,62.25 75.01,62.26 75.04,62.27 75.05,62.28 75.09,62.3 75.11,62.31 76.44,63.13 76.46,63.15 76.49,63.16 76.52,63.18 76.55,63.19 76.58,63.2 76.61,63.21 76.64,63.21 76.67,63.22 76.71,63.22 76.74,63.23 76.77,63.23 76.8,63.22 76.83,63.22 76.86,63.22 76.89,63.21 76.92,63.2 77.99,62.9 78.02,62.9 78.12,62.9 79,62.85 ; 38.75,53.56 38.73,54.33 39.49,54.28 ; U5.5 32.61,60.64 32.6,60.65 U15.11 ; 58.29,54.35 58.63,54.62 58.61,54.18
  Bottom w0.2: 58.3,54.02 57.93,54.25 58.35,54.38 ; v2(58.41,54.19) 54.83,54.65 54.79,54.65 54.76,54.66 54.72,54.66 54.68,54.66 54.65,54.66 54.61,54.66 U5.5 ; 39.96,53.1 40.49,53.65 39.88,54.13
BB_CE: length 77.5
  Top w0.2: 76.01,29.04 75.48,28.48 76.09,28.01 ; 54.01,69.49 54.03,69.5 54.05,69.51 54.1,69.54 54.12,69.54 68.07,74.56 68.09,74.57 68.11,74.59 68.12,74.59 68.13,74.61 68.13,74.62 U22.6 ; U11.22 61.36,27.45 61.3,27.45 61.24,27.45 61.17,27.46 61.11,27.46 61.05,27.47 60.99,27.49 60.93,27.51 60.87,27.53 60.81,27.55 60.76,27.58 60.7,27.61 60.65,27.65 60.6,27.68 60.55,27.72 60.51,27.77 60.46,27.81 60.42,27.86 60.38,27.91 60.35,27.96 60.31,28.01 60.29,28.07 60.26,28.12 55.71,38.78 55.69,38.83 55.66,38.88 55.63,38.92 55.6,38.97 55.57,39.02 55.53,39.06 55.49,39.1 55.45,39.14 55.41,39.18 55.37,39.22 55.32,39.25 55.28,39.28 55.23,39.31 54.15,39.91 54.1,39.94 54.04,39.97 54,40.01 53.95,40.05 53.9,40.1 53.86,40.14 53.82,40.19 53.78,40.24 53.75,40.29 53.72,40.34 53.69,40.4 53.66,40.46 53.64,40.51 53.62,40.57 53.61,40.63 53.59,40.69 53.59,40.75 53.58,40.82 53.58,40.88 53.58,63.74 53.58,63.77 53.75,69.03 53.75,69.04 53.76,69.1 53.76,69.12 53.76,69.14 53.78,69.19 53.79,69.21 53.79,69.23 53.82,69.28 53.83,69.3 53.84,69.32 53.87,69.36 53.89,69.38 53.9,69.39 53.94,69.43 53.96,69.45 53.97,69.46 54.01,69.49